# Altium PCB S7CAS-PLEIADES-CARTE-MERE_Pxx.PcbDoc (part 2 of 8) (continued)
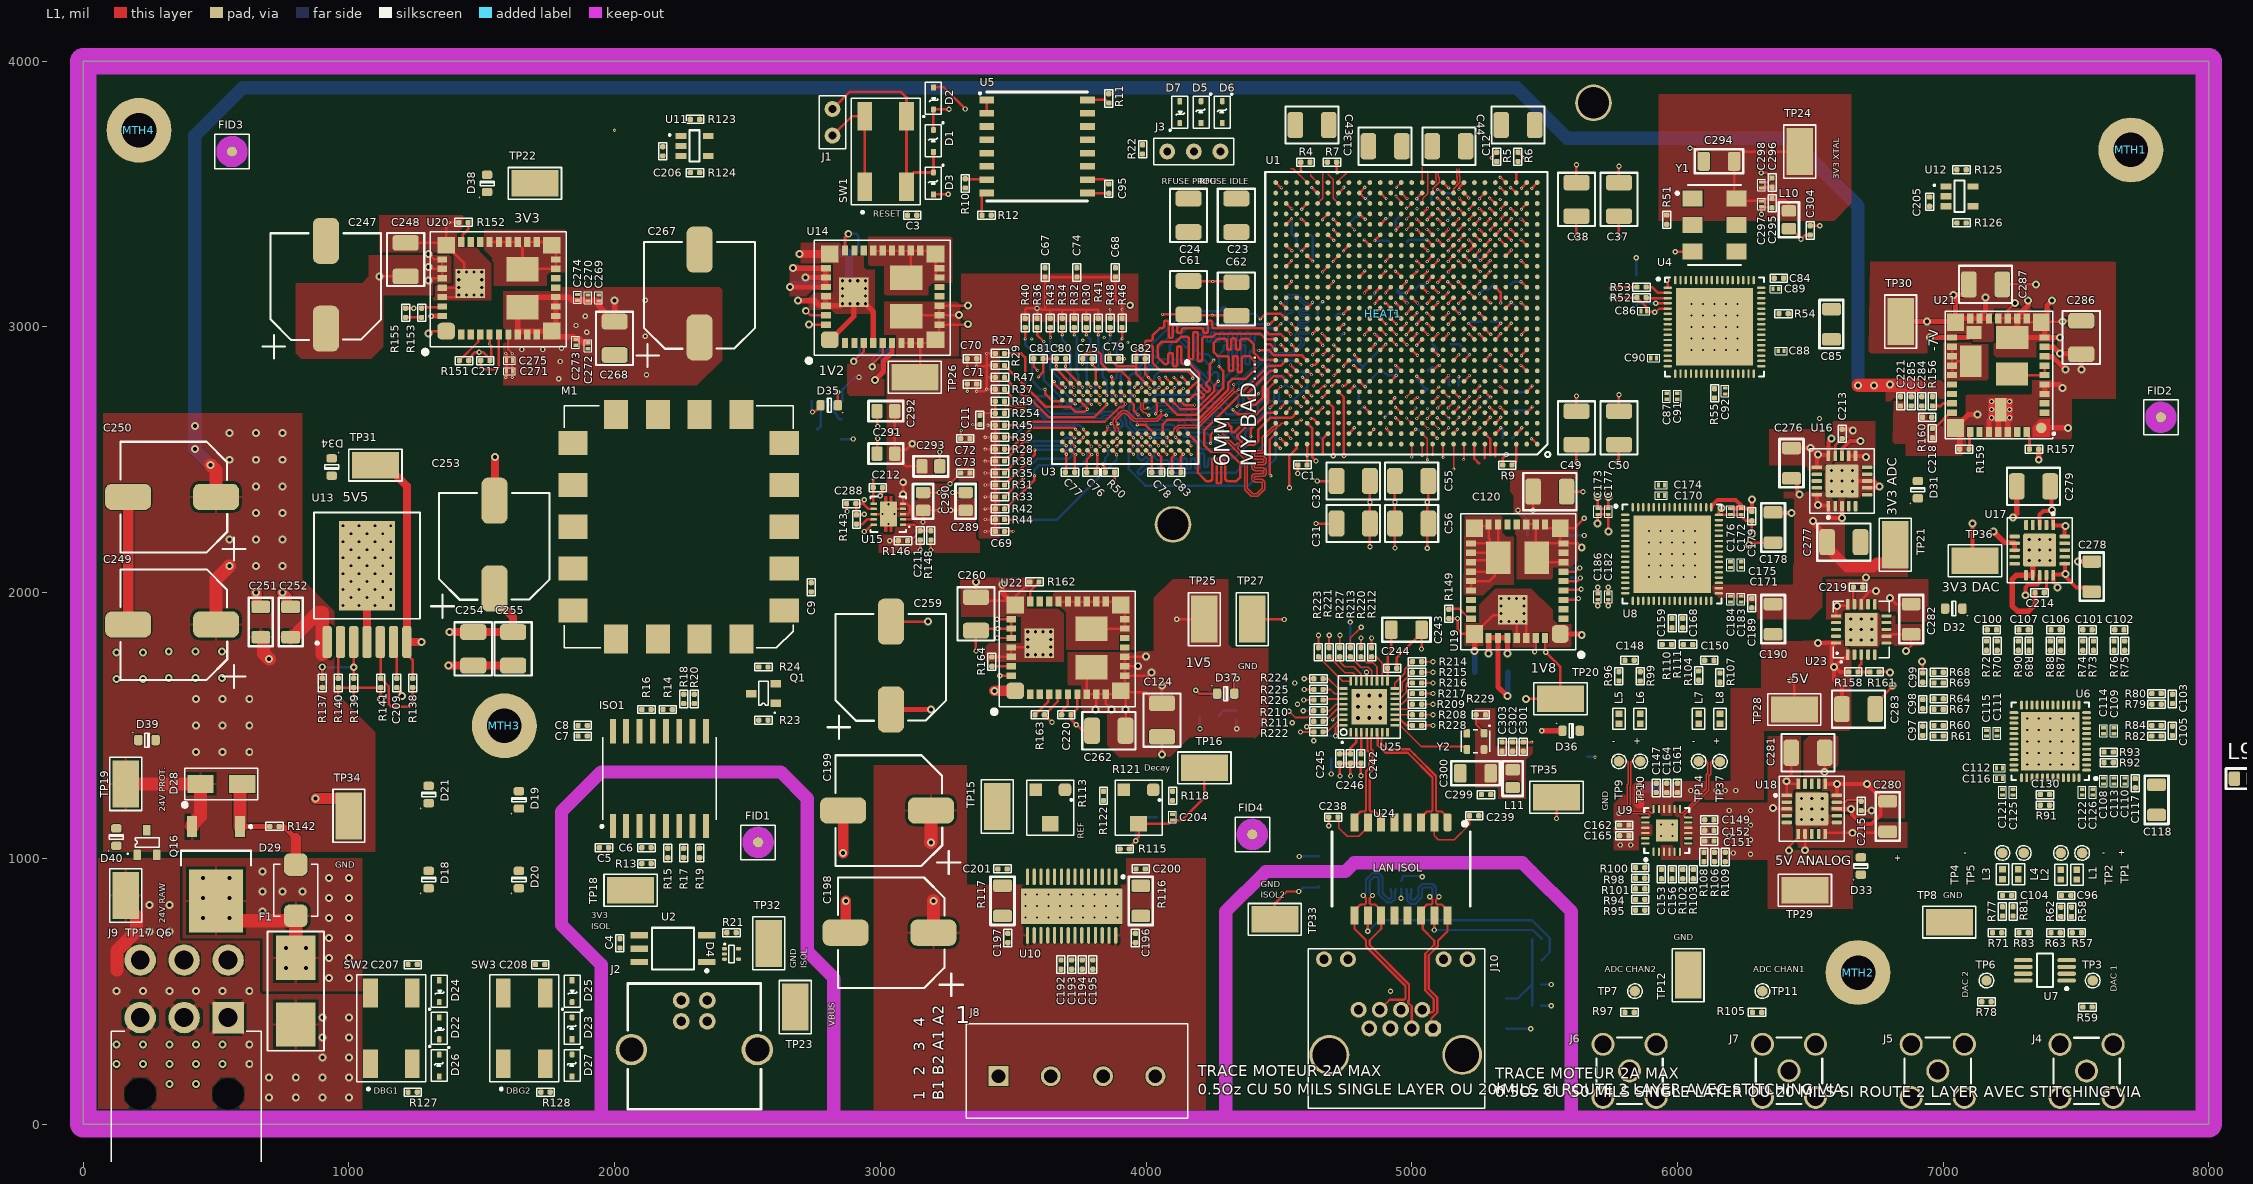
[diagram p0: L1 view]
## Footprints (in the part's own frame and the unit in brackets; to place one, negate y for a bottom-side part, rotate by r counter-clockwise, add the part's x,y. Pads: shape width x height; smd on the part's side, far side on the other; paste and mask are expansions set on the pad) (continued)
  silkscreen extent -13.75,-13.5 13.5,13.75, body extent -13.5,-13.53 13.5,13.47, height 2.24
FUS_0154XXX.DR [mil]
  rect 167x150 smd paste+0 mask+4: 1(-125.39,0) 2(125.39,0)
  silkscreen extent -224,-106 224,106, body extent -191,-98 191,98, height 145
"IND - 0402" [mm] "Chip Inductor, 2-Leads, Body 1.00x0.50mm, IPC Medium Density"
  rect 0.61x0.64 smd: 1(-0.475,0) 2(0.475,0)
  silkscreen extent -1,-0.6 1,0.6, body extent -0.55,-0.3 0.55,0.3, height 0.6
ISO_ADUM3160BRWZ-RL [mil]
  rect 90.51x22.01 smd paste-1.97 mask+2.76: 1(-178.25,175) 2(-178.25,125) 3(-178.25,75) 4(-178.25,25) 5(-178.25,-25) 6(-178.25,-75) 7(-178.25,-125) 8(-178.25,-175) 9(178.25,-175) 10(178.25,-125) 11(178.25,-75) 12(178.25,-25) 13(178.25,25) 14(178.25,75) 15(178.25,125) 16(178.25,175)
  silkscreen extent -185,-214 156,221, body extent -210,-206 209,206, height 104
ISO_PT61017PEL [mil]
  rrect50% 67x30 smd mask+2.76: 1(-175,175)
  rect 67x30 smd mask+2.76: 2(-175,125) 3(-175,75) 4(-175,25) 5(-175,-25) 6(-175,-75) 7(-175,-125) 8(-175,-175) 9(175,-175) 10(175,-125) 11(175,-75) 12(175,-25) 13(175,25) 14(175,75) 15(175,125) 16(175,175)
  silkscreen extent -180,-260 140,260, body extent -193,-252 193,252, height 222
LED_0603 [mm] "Light Emitting Diode - Package 1608"
  rrect50% 0.8x1 smd: A(-0.825,0) K(0.825,0)
  silkscreen extent -0.2,-0.68 0.2,0.67, body extent -0.81,-0.38 0.81,0.42, height 1.1
"MALE HEADER - 1x2 2.54mm" [mil] "MALE HEADER - 1x2 2.54mm"
  round 60 hole 30 mask+3: 1(0,100) 2(0,0)
  silkscreen extent -50,-50 50,150, body extent -50,-50 50,150, height 336
"MALE HEADER - 1x3 2.54mm" [mil] "MALE HEADER - 1x3 2.54mm"
  round 60 hole 30 mask+3: 1(0,100) 2(0,0) 3(0,-100)
  silkscreen extent -50,-150 50,150, body extent -50,-150 50,150, height 336
MEM_DDR3_MT41J128M16JT-125 [mm]
  round 0.45 smd: A1(-3.2,6) A2(-2.4,6) A3(-1.6,6) A7(1.6,6) A8(2.4,6) A9(3.2,6) B1(-3.2,5.2) B2(-2.4,5.2) B3(-1.6,5.2) B7(1.6,5.2) B8(2.4,5.2) B9(3.2,5.2) C1(-3.2,4.4) C2(-2.4,4.4) C3(-1.6,4.4) C7(1.6,4.4) C8(2.4,4.4) C9(3.2,4.4) D1(-3.2,3.6) D2(-2.4,3.6) D3(-1.6,3.6) D7(1.6,3.6) D8(2.4,3.6) D9(3.2,3.6) E1(-3.2,2.8) E2(-2.4,2.8) E3(-1.6,2.8) E7(1.6,2.8) E8(2.4,2.8) E9(3.2,2.8) F1(-3.2,2) F2(-2.4,2) F3(-1.6,2) F7(1.6,2) F8(2.4,2) F9(3.2,2) G1(-3.2,1.2) G2(-2.4,1.2) G3(-1.6,1.2) G7(1.6,1.2) G8(2.4,1.2) G9(3.2,1.2) H1(-3.2,0.4) H2(-2.4,0.4) H3(-1.6,0.4) H7(1.6,0.4) H8(2.4,0.4) H9(3.2,0.4) J1(-3.2,-0.4) J2(-2.4,-0.4) J3(-1.6,-0.4) J7(1.6,-0.4) J8(2.4,-0.4) J9(3.2,-0.4) K1(-3.2,-1.2) K2(-2.4,-1.2) K3(-1.6,-1.2) K7(1.6,-1.2) K8(2.4,-1.2) K9(3.2,-1.2) L1(-3.2,-2) L2(-2.4,-2) L3(-1.6,-2) L7(1.6,-2) L8(2.4,-2) L9(3.2,-2) M1(-3.2,-2.8) M2(-2.4,-2.8) M3(-1.6,-2.8) M7(1.6,-2.8) M8(2.4,-2.8) M9(3.2,-2.8) N1(-3.2,-3.6) N2(-2.4,-3.6) N3(-1.6,-3.6) N7(1.6,-3.6) N8(2.4,-3.6) N9(3.2,-3.6) P1(-3.2,-4.4) P2(-2.4,-4.4) P3(-1.6,-4.4) P7(1.6,-4.4) P8(2.4,-4.4) P9(3.2,-4.4) R1(-3.2,-5.2) R2(-2.4,-5.2) R3(-1.6,-5.2) R7(1.6,-5.2) R8(2.4,-5.2) R9(3.2,-5.2) T1(-3.2,-6) T2(-2.4,-6) T3(-1.6,-6) T7(1.6,-6) T8(2.4,-6) T9(3.2,-6)
  silkscreen extent -5.31,-6.98 4.5,7.01, body extent -4.5,-7 4.5,7, height 1.05
MOD_JTAG_410-357-B [mm]
  rect 2.3x2.8 smd paste-0.025 mask+0.07: 1(-8,-10.1) 2(-4,-10.1) 3(0,-10.1) 4(4,-10.1) 5(8,-10.1) 10(8,10.1) 11(4,10.1) 12(0,10.1) 13(-4,10.1) 14(-8,10.1)
  rect 2.8x2.3 smd paste-0.025 mask+0.07: 6(10.725,-6) 7(10.725,-2) 8(10.725,2) 9(10.725,6) 15(-10.725,6) 16(-10.725,2) 17(-10.725,-2) 18(-10.725,-6)
  silkscreen extent -11.57,-10.94 11.57,10.94, body extent -11.38,-10.75 11.38,10.75, height 2.5
MTH_M3 [mm]
  round 6.2 hole 3.3 paste-2539.97 mask+0.07: 1(0,0)
OPAMP_AD8056ARMZ [mm] "SOP, 8-Leads, Body 3x3mm, Pitch 0.65mm, IPC Medium Density"
  oval 1.8x0.4 smd mask+0.07: 1(-2.075,0.975) 2(-2.075,0.325) 3(-2.075,-0.325) 4(-2.075,-0.975) 5(2.075,-0.975) 6(2.075,-0.325) 7(2.075,0.325) 8(2.075,0.975)
  silkscreen extent -2.2,-1.6 0.77,1.87, body extent -2.12,-1.53 2.07,1.52, height 1.3
OPAMP_ADA4927-2YCPZ-R2 [mm] "QFN, 24-Leads, Body 4,00x4,00mm, Pitch 0,50mm, Thermal Pad 2,10x2,10mm, IPC Low Density"
  oval 0.8x0.2 smd mask+0.075: 1(-2.05,1.25) 2(-2.05,0.75) 3(-2.05,0.25) 4(-2.05,-0.25) 5(-2.05,-0.75) 6(-2.05,-1.25) 13(2.05,-1.25) 14(2.05,-0.75) 15(2.05,-0.25) 16(2.05,0.25) 17(2.05,0.75) 18(2.05,1.25)
  oval 0.2x0.8 smd mask+0.075: 7(-1.25,-2.05) 8(-0.75,-2.05) 9(-0.25,-2.05) 10(0.25,-2.05) 11(0.75,-2.05) 12(1.25,-2.05) 19(1.25,2.05) 20(0.75,2.05) 21(0.25,2.05) 22(-0.25,2.05) 23(-0.75,2.05) 24(-1.25,2.05)
  rect 2.1x2.1 smd mask+0.075: PAD(0,0)
  silkscreen extent -2.92,-2.15 2.15,2.15, body extent -2,-2 2,2, height 1
OPTO_TLP2362 [mm] "SOT23, 5-Leads, Body 3.75x7.00mm, Pitch 1.27mm, IPC Medium Density"
  rect 1.65x0.6 smd: 1(-3.225,1.27) 3(-3.225,-1.27) 4(3.225,-1.27) 5(3.225,0) 6(3.225,1.27)
  silkscreen extent -3.35,-2 2,2.24, body extent -3.5,-1.85 3.5,1.85, height 2.3
OSC_590BD-BDG [mm]
  rect 1.95x1.55 smd paste-0.025 mask+0.07: 1(-2.1,2.54) 2(-2.1,0) 3(-2.1,-2.54) 4(2.1,-2.54) 5(2.1,0) 6(2.1,2.54)
  silkscreen extent -3.68,-3.81 2.54,3.81, body extent -2.54,-3.56 2.54,3.56, height 1.3
OSC_ASDMB-25.000MHZ-LC-T [mm]
  rrect50% 0.65x0.85 smd paste-0.025 mask+0.07: 1(-0.825,-0.775) 2(0.825,-0.775) 3(0.825,0.775) 4(-0.825,0.775)
  silkscreen extent -1.41,-1.56 1.35,1.1, body extent -1.25,-1 1.25,1, height 0.83
POT_J_LEAD_TOP [mm] "POT - J LEAD TOP 0.1W"
  rrect50% 1.2x1.2 smd mask+0.076: 1(-1.4,-1.6)
  rect 1.6x1.5 smd mask+0.076: 2(0,1.65)
  rect 1.2x1.2 smd mask+0.076: 3(1.4,-1.6)
  silkscreen extent -2.25,-2.5 2.25,2.75, body extent -1.8,-1.91 1.8,2.05, height 1.13
POW_MOTOR_DRV8811PWPR [mm] "TSOP, 28-Leads, Body 9,70x4,40mm, Pitch 0,65mm, Thermal Pad 9,70x3,40mm, IPC Medium Density"
  oval 1.6x0.3 smd: 1(-2.8,4.225) 2(-2.8,3.575) 3(-2.8,2.925) 4(-2.8,2.275) 5(-2.8,1.625) 6(-2.8,0.975) 7(-2.8,0.325) 8(-2.8,-0.325) 9(-2.8,-0.975) 10(-2.8,-1.625) 11(-2.8,-2.275) 12(-2.8,-2.925) 13(-2.8,-3.575) 14(-2.8,-4.225) 15(2.8,-4.225) 16(2.8,-3.575) 17(2.8,-2.925) 18(2.8,-2.275) 19(2.8,-1.625) 20(2.8,-0.975) 21(2.8,-0.325) 22(2.8,0.325) 23(2.8,0.975) 24(2.8,1.625) 25(2.8,2.275) 26(2.8,2.925) 27(2.8,3.575) 28(2.8,4.225)
  rect 3.4x9.7 smd paste-15 mask-15: PAD(0,0)
  silkscreen extent -2.92,4.8 -2.68,5.05, body extent -3.2,-4.9 3.2,4.9, height 1.2
REG_LDO_TPS7A3301RGWR [mm]
  rrect50% 0.35x1 smd paste-0.025 mask+0.07: 1(-1.3,-2.4) 2(-0.65,-2.4) 3(0,-2.4) 4(0.65,-2.4) 5(1.3,-2.4) 11(1.3,2.4) 12(0.65,2.4) 13(0,2.4) 14(-0.65,2.4) 15(-1.3,2.4)
  rrect50% 0.95x0.3 smd paste-0.025 mask+0.07: 6(2.4,-1.3) 7(2.4,-0.65) 8(2.4,0) 9(2.4,0.65) 10(2.4,1.3) 16(-2.4,1.3) 17(-2.4,0.65) 18(-2.4,0) 19(-2.4,-0.65) 20(-2.4,-1.3)
  rect 3.15x3.15 smd paste-3.15 mask+0: 21(0,0)
  silkscreen extent -2.7,-3.14 2.7,2.7, body extent -2.51,-2.51 2.51,2.51, height 0.88
REG_PMIC_TPS51200DRCT [mm]
  rrect41% 0.6x0.24 smd mask+0.07: 1(-1.4,1) 2(-1.4,0.5) 3(-1.4,0) 4(-1.4,-0.5) 5(-1.4,-1) 6(1.4,-1) 7(1.4,-0.5) 8(1.4,0) 9(1.4,0.5) 10(1.4,1)
  rrect5% 1.65x2.4 smd paste-5 mask+0.07: 11(0,0)
  L1 region: 0.175,-1.7 0.165,-1.7 0.147,-1.692 0.133,-1.678 0.125,-1.66 0.125,-1.65 0.125,-1.65 0.125,1.65 0.125,1.66 0.133,1.678 0.147,1.692 0.165,1.7 0.175,1.7 0.175,1.7 0.325,1.7 0.335,1.7 0.353,1.692 0.367,1.678 0.375,1.66 0.375,1.65 0.375,1.65 0.375,-1.65 0.375,-1.66 0.367,-1.678 0.353,-1.692 0.335,-1.7 0.325,-1.7 0.325,-1.7
  L1 region: -0.325,-1.7 -0.335,-1.7 -0.353,-1.692 -0.367,-1.678 -0.375,-1.66 -0.375,-1.65 -0.375,-1.65 -0.375,1.65 -0.375,1.66 -0.367,1.678 -0.353,1.692 -0.335,1.7 -0.325,1.7 -0.325,1.7 -0.175,1.7 -0.165,1.7 -0.147,1.692 -0.133,1.678 -0.125,1.66 -0.125,1.65 -0.125,1.65 -0.125,-1.65 -0.125,-1.66 -0.133,-1.678 -0.147,-1.692 -0.165,-1.7 -0.175,-1.7 -0.175,-1.7
  silkscreen extent -2.05,-1.7 1.7,1.7, body extent -1.55,-1.55 1.55,1.55, height 1
REG_SWI_LMZ30602 [mm] "Non-Isolated PoL Module DC DC Converter 1 Output 0.8 ~ 3.6V 2A 2.95V - 6V Input"
  rrect50% 1.7x1.6 smd mask+0.07: 1(0,0)
  rect 0.6x0.95 smd mask+0.07: 2(1.45,-0.325) 3(2.35,-0.325) 4(3.25,-0.325) 5(4.15,-0.325) 6(5.05,-0.325) 7(5.95,-0.325) 8(6.85,-0.325) 9(7.75,-0.325) 10(8.65,-0.325) 20(8.65,8.525) 21(7.75,8.525) 22(6.85,8.525) 23(5.95,8.525) 24(5.05,8.525) 25(4.15,8.525) 26(3.25,8.525) 27(2.35,8.525) 28(1.45,8.525)
  rect 1.7x1.6 smd mask+0.07: 11(10.1,0) 19(10.1,8.2) 29(0,8.2)
  rect 0.95x0.6 smd mask+0.07: 12(10.475,1.45) 13(10.475,2.35) 14(10.475,3.25) 15(10.475,4.15) 16(10.475,5.05) 17(10.475,5.95) 18(10.475,6.85) 30(-0.375,6.85) 31(-0.375,5.95) 32(-0.375,5.05) 33(-0.375,4.15) 34(-0.375,3.25) 35(-0.375,2.35) 36(-0.375,1.45)
  rect 2.8x2.8 smd mask+0.07: 37(2.3,4.55)
  rect 2.8x2.8 smd far side mask+0.07: 37(2.3,4.55)
  rect 3.1x2.35 smd mask+0.07: 38(7.3,2.26) 39(7.3,5.93)
  silkscreen extent -2.28,-2.28 11.5,9.5, body extent -0.4,-0.4 10.6,8.6, height 2.9
REG_SWI_LMZ30604 [mm] "Non-Isolated PoL Module DC DC Converter 1 Output 0.8 ~ 3.6V 4A 2.95V - 6V Input"
  rrect50% 1.7x1.6 smd mask+0.07: 1(0,0)
  rect 0.6x0.95 smd mask+0.07: 2(1.45,-0.325) 3(2.35,-0.325) 4(3.25,-0.325) 5(4.15,-0.325) 6(5.05,-0.325) 7(5.95,-0.325) 8(6.85,-0.325) 9(7.75,-0.325) 10(8.65,-0.325) 20(8.65,8.525) 21(7.75,8.525) 22(6.85,8.525) 23(5.95,8.525) 24(5.05,8.525) 25(4.15,8.525) 26(3.25,8.525) 27(2.35,8.525) 28(1.45,8.525)
  rect 1.7x1.6 smd mask+0.07: 11(10.1,0) 19(10.1,8.2) 29(0,8.2)
  rect 0.95x0.6 smd mask+0.07: 12(10.475,1.45) 13(10.475,2.35) 14(10.475,3.25) 15(10.475,4.15) 16(10.475,5.05) 17(10.475,5.95) 18(10.475,6.85) 30(-0.375,6.85) 31(-0.375,5.95) 32(-0.375,5.05) 33(-0.375,4.15) 34(-0.375,3.25) 35(-0.375,2.35) 36(-0.375,1.45)
  rect 2.8x2.8 smd mask+0.07: 37(2.3,4.55)
  rect 2.8x2.8 smd far side mask+0.07: 37(2.3,4.55)
  rect 3.1x2.35 smd mask+0.07: 38(7.3,2.26) 39(7.3,5.93)
  silkscreen extent -2.28,-2.28 11.5,9.5, body extent -0.4,-0.4 10.6,8.6, height 2.9
REG_SWR_LMZ23605TZE/NOPB [mm]
  rrect50% 0.89x3.06 smd paste+0 mask+0.07: 1(-3.81,-7.305) 2(-2.54,-7.305) 3(-1.27,-7.305) 4(0,-7.305) 5(1.27,-7.305) 6(2.54,-7.305) 7(3.81,-7.305)
  rect 5.35x8.54 smd paste-10 mask+0.07: 8(0,0)
  silkscreen extent -5.08,-7.53 5.08,5.08, body extent -5.11,-8.82 5.05,4.95, height 4.57
REG_SWR_LMZ34002RKGR [mm]
  round 1 smd paste-1.7 mask-1.7: 1(-5.05,-4.1)
  rect 0.6x0.95 smd paste-0.025 mask+0.07: 2(-3.6,-4.425) 3(-2.7,-4.425) 4(-1.8,-4.425) 5(-0.9,-4.425) 6(0,-4.425) 7(0.9,-4.425) 8(1.8,-4.425) 9(2.7,-4.425) 10(3.6,-4.425) 20(3.6,4.425) 21(2.7,4.425) 22(1.8,4.425) 23(0.9,4.425) 24(0,4.425) 25(-0.9,4.425) 26(-1.8,4.425) 27(-2.7,4.425) 28(-3.6,4.425)
  rect 1.7x1.6 smd paste-2 mask+0.07: 11(5.05,-4.1) 19(5.05,4.1) 29(-5.05,4.1)
  rect 0.95x0.6 smd paste-0.025 mask+0.07: 12(5.425,-2.7) 13(5.425,-1.8) 14(5.425,-0.9) 15(5.425,0) 16(5.425,0.9) 17(5.425,1.8) 18(5.425,2.7) 30(-5.425,2.7) 31(-5.425,1.8) 32(-5.425,0.9) 33(-5.425,0) 34(-5.425,-0.9) 35(-5.425,-1.8) 36(-5.425,-2.7)
  rect 2.25x1.1 smd paste-2 mask+0.07: 37(-3.3,-0.22)
  rect 2.2x3.1 smd paste-3.1 mask+0.07: 38(0.11,-1.3)
  rect 2.2x3.1 smd paste-3.1 mask+0.05: 39(3.59,-1.32)
  rect 1.24x1.4 smd paste-2 mask+0.05: 40(4.06,2.33)
  rect 3.05x2.04 smd paste-3.05 mask+0.05: 41(1.32,2.65)
  L1 region: -4.425,-1.37 -2.175,-1.37 -2.175,0.93 -4.425,0.93
  L1 region: -5.9,-4.9 -5.9,-3.3 -4.95,-3.3 -4.2,-3.95 -4.2,-4.9
  silkscreen extent -6.1,-5.4 6.1,5.1, body extent -5.55,-4.55 5.55,4.55, height 2.95
REG_TPS7A4701RGWR [mm]
  rrect50% 1x0.35 smd paste-0.025 mask+0.07: 1(-2.4,1.3) 2(-2.4,0.65) 3(-2.4,0) 4(-2.4,-0.65) 5(-2.4,-1.3) 11(2.4,-1.3) 12(2.4,-0.65) 13(2.4,0) 14(2.4,0.65) 15(2.4,1.3)
  rrect50% 0.35x1 smd paste-0.025 mask+0.07: 6(-1.3,-2.4) 7(-0.65,-2.4) 8(0,-2.4) 9(0.65,-2.4) 10(1.3,-2.4) 16(1.3,2.4) 17(0.65,2.4) 18(0,2.4) 19(-0.65,2.4) 20(-1.3,2.4)
  rrect10% 3.15x3.15 smd paste-1.575 mask+0: E1(0,0)
  silkscreen extent -3.59,-3.1 3.1,3.1, body extent -2.62,-2.62 2.63,2.63, height 1
RES_0402 [mil]
  rrect60% 20x20 smd: 1(-17.5,0) 2(17.5,0)
  silkscreen extent -32,-15 32,15, body extent -23,-11 23,11, height 16
RES_0805 [mil]
  rrect37% 43x55 smd: 1(-35.5,0) 2(35.5,0)
  silkscreen extent -68,-40 68,40, body extent -45,-27 45,27, height 30
RES_1206 [mil]
  rrect34% 47x71 smd: 1(-57,0) 2(57,0)
  silkscreen extent -91,-45 91,45, body extent -66,-34 66,34, height 33
SEN_TEMP_TC74A0-3.3VCTTR [mm]
  rect 1.05x0.6 smd paste-0.05 mask+0.07: 1(-1.3,0.95) 2(-1.3,0) 3(-1.3,-0.95) 4(1.3,-0.95) 5(1.3,0.95)
  silkscreen extent -2.47,-1.5 0.48,1.5, body extent -1.6,-1.58 1.6,1.53, height 1.45
SMA [mm]
  rect 2.5x1.7 smd mask+0.076: 1(2,0) 2(-2,0)
  silkscreen extent -3.75,-2.25 3.5,1.5, body extent -2.8,-1.46 2.8,1.46, height 2.35
"SOD323 - UNIDIR" [mm]
  rrect50% 0.59x0.45 smd mask+0.076: 1(-1.05,0)
  rect 0.59x0.45 smd mask+0.076: 2(1.05,0)
  silkscreen extent -1.76,-0.76 1.52,0.95, body extent -1.26,-0.65 1.26,0.65, height 1.1
SOT23-3#1 [mil]
  rect 28x40 smd: 1(-37,-46) 2(37,-46) 3(0,46)
  round 7.5 on Mech10: ""(-37,-46)
  silkscreen extent -74,-46 46,18, body extent -57,-47 57,47, height 40
SOT23-3#2 [mil]
  rect 28x40 smd: 1(-37,-46) 2(37,-46) 3(0,46)
  round 7.5 on Mech11: ""(-37,-46)
  silkscreen extent -74,-45 46,18, body extent -57,-47 57,47, height 40
SWI_TACT_B3SN-3012P [mm]
  rect 2.75x1.4 smd paste-0.025 mask+0.07: 1(-3.375,2) 2(3.375,2) 3(-3.375,-2) 4(3.375,-2)
  silkscreen extent -5.9,-3.3 5.1,3.3, body extent -3.05,-3.05 3.05,3.05, height 3.2
TIM_CDCE62005RGZT [mm] "QFN, 64-Leads, Body 9,00x9,00mm, Pitch 0,50mm, Thermal Pad 7,40x7,40mm, IPC Medium Density"
  oval 0.8x0.23 smd mask+0.07: 1(-4.475,3.75) 2(-4.475,3.25) 3(-4.475,2.75) 4(-4.475,2.25) 5(-4.475,1.75) 6(-4.475,1.25) 7(-4.475,0.75) 8(-4.475,0.25) 9(-4.475,-0.25) 10(-4.475,-0.75) 11(-4.475,-1.25) 12(-4.475,-1.75) 13(-4.475,-2.25) 14(-4.475,-2.75) 15(-4.475,-3.25) 16(-4.475,-3.75) 33(4.475,-3.75) 34(4.475,-3.25) 35(4.475,-2.75) 36(4.475,-2.25) 37(4.475,-1.75) 38(4.475,-1.25) 39(4.475,-0.75) 40(4.475,-0.25) 41(4.475,0.25) 42(4.475,0.75) 43(4.475,1.25) 44(4.475,1.75) 45(4.475,2.25) 46(4.475,2.75) 47(4.475,3.25) 48(4.475,3.75)
  oval 0.23x0.8 smd mask+0.07: 17(-3.75,-4.475) 18(-3.25,-4.475) 19(-2.75,-4.475) 20(-2.25,-4.475) 21(-1.75,-4.475) 22(-1.25,-4.475) 23(-0.75,-4.475) 24(-0.25,-4.475) 25(0.25,-4.475) 26(0.75,-4.475) 27(1.25,-4.475) 28(1.75,-4.475) 29(2.25,-4.475) 30(2.75,-4.475) 31(3.25,-4.475) 32(3.75,-4.475) 49(3.75,4.475) 50(3.25,4.475) 51(2.75,4.475) 52(2.25,4.475) 53(1.75,4.475) 54(1.25,4.475) 55(0.75,4.475) 56(0.25,4.475) 57(-0.25,4.475) 58(-0.75,4.475) 59(-1.25,4.475) 60(-1.75,4.475) 61(-2.25,4.475) 62(-2.75,4.475) 63(-3.25,4.475) 64(-3.75,4.475)
  rect 7.4x7.4 smd mask+0.07: PAD(0,0)
  silkscreen extent -5.5,-4.72 4.72,4.72, body extent -4.57,-4.57 4.57,4.57, height 1
TO-252 [mm]
  rect 2x0.95 smd: 1(-4.55,2.28) 3(-4.55,-2.28)
  rect 6x5.15 smd: 4(2.55,0)
  silkscreen extent -4.67,-3.35 -0.85,3.43, body extent -4.6,-3.35 5.5,3.35, height 2.9
TPO_SMD_5019 [mm]
  rect 4.5x2.53 smd paste-5 mask+0.07: 1(0,0)
  silkscreen extent -2.54,-1.52 2.54,1.52, body extent -1.9,-1.01 1.91,1.02, height 2.29
TPO_SMD_ROUND_1MM [mm]
  round 1 smd paste-2 mask+0.07: 1(0,0)
  silkscreen extent -0.7,-0.7 0.7,0.7, body extent -0.4,-0.4 0.4,0.4
TVS_DATA_TPD4E05U06 [mm]
  rect 0.55x0.3 smd paste+0 mask+0.05: 1(-0.385,1) 2(-0.385,0.5) 4(-0.385,-0.5) 5(-0.385,-1) 6(0.385,-1) 7(0.385,-0.5) 9(0.385,0.5) 10(0.385,1)
  rect 0.55x0.4 smd paste+0 mask+0.05: 3(-0.385,0) 8(0.385,0)
  silkscreen extent -0.89,-1.45 0.55,1.45, body extent -0.55,-1.3 0.55,1.3, height 0.55
TVS_PWR_SMBJ36CA [mm]
  rrect50% 2.16x2.26 smd paste+0 mask+0.102: 1(-2.45,0) 2(2.45,0)
  silkscreen extent -2.5,-2.1 2.5,2.1, body extent -2.6,-1.97 2.6,1.97, height 2.61
TVS_USB_TPD2E001DRLR [mm]
  rrect50% 0.45x0.3 smd paste-0.025 mask+0.05: 1(-0.675,0.5) 2(-0.675,0) 3(-0.675,-0.5) 4(0.675,-0.5) 5(0.675,0.5)
  silkscreen extent -0.73,-0.85 0.25,1.01, body extent -0.8,-0.8 0.8,0.8, height 0.49

## Part data
C1 C2 C3 C4 C11 C67 C68 C69 C70 C71 C72 C73 C74 C75 C76 C77 C78 C79 C80 C81 C82 C83 C95 C97 C98 C99 C100 C101 C102 C103 C105 C106 C107 C117 C128 C130 C136 C144 C152 C156 C159 C164 C165 C168 C178 C189 C200 C201 C207 C208 C212 C213 C214 C215 C219 C225 C238 C239 C242 C244 C246: library part "CAP - 0603", "CAP - 0402", Supplier Part Number 1=CL10B104KO8NNNC, Voltage=16V, CreatedBy="Jonathan Bouchard", Package=0402, Precision=10%, Supplier 1="Arrow Electronics"
C5 C6 C7 C8 C9 C10 C18 C19 C20 C21 C22 C27 C28 C29 C30 C34 C35 C36 C40 C41 C42 C47 C48 C53 C54 C59 C60 C65 C66 C137 C145 C157 C166 C209 C227: library part "CAP - 0603", "CAP - 0402", Supplier Part Number 1=C1608X7R1C474K080AC, Voltage=16V, CreatedBy="Jonathan Bouchard", Package=0402, Precision=10%, Supplier 1="Arrow Electronics"
C12 C13 C23 C24 C31 C32 C37 C38 C43 C44 C49 C50 C55 C56 C61 C62 C120 C124 C233 C248 C254 C255 C256 C258 C260 C262 C264 C266 C268 C277 C279 C281 C283 C286 C287: Package=1210, Supplier Part Number 1=CL32A476KOJNNNE, Voltage=16V, CreatedBy="Jonathan Bouchard", Precision=10%, Supplier 1="Arrow Electronics"
C15 C16 C25 C26 C33 C39 C45 C51 C57 C63 C230: Package=0805, Supplier Part Number 1=CL21B475KOFNFNE, Voltage=16V, CreatedBy="Jonathan Bouchard", Precision=10%, Supplier 1="Arrow Electronics"
C84 C205 C206 C228: library part "CAP - 0603", "CAP - 0402", Supplier Part Number 1=CL10B105MO8NNWC, Voltage=16v, CreatedBy="Jonathan Bouchard", Package=0402, Precision=10%, Supplier 1="Arrow Electronics"
C85 C232 C241 C243 C294 C300: Package=1206, Supplier Part Number 1=CL31A226MOCLNNC, Voltage=16V, CreatedBy="Jonathan Bouchard", Precision=10%, Supplier 1="Arrow Electronics"
C86 C87 C88 C113 C114 C115 C116 C125 C126 C127 C174 C175 C176 C177 C186 C187 C188 C191 C202 C203 C204 C223 C269 C270 C271 C297 C298: Package=0201, Supplier Part Number 1=GRM033R71C102KA01J, Voltage=16V, CreatedBy="Jonathan Bouchard", Precision=10%, Supplier 1=Avnet
C89 C90 C91 C92 C108 C109 C110 C111 C112 C121 C122 C123 C170 C171 C172 C173 C182 C183 C184 C222 C272 C273 C274 C275: Package=0201, Supplier Part Number 1=GRM033R71C221KA01D, Voltage=16V, CreatedBy="Jonathan Bouchard", Precision=10%, Supplier 1="Arrow Electronics"
C93 C94 C118 C129 C138 C146 C158 C167 C179 C190 C231 C251 C252 C276 C278 C280 C282: Package=1206, Supplier Part Number 1=CL31A106MBHNNNE, Voltage=50V, CreatedBy="Jonathan Bouchard", Precision=10%, Supplier 1=Avnet
C96 C104 C147 C148 C149 C150: library part "CAP - 0603", "CAP - 0402", Voltage=50V, CreatedBy="Jonathan Bouchard", Package=0402, Precision=10%
C119 C234 C240: Package=1206, Supplier Part Number 1=1206GC102KAT1A, Voltage=2KV, CreatedBy="Jonathan Bouchard", Precision=10%, Supplier 1="Arrow Electronics"
C133 C141 C151 C153 C161 C162 C210 C216 C217 C218 C220 C224 C295 C296 C302 C303 C304: Package=0402, Supplier Part Number 1=GRM155R61A224KE19D, Voltage=16V, CreatedBy="Jonathan Bouchard", Precision=10%, Supplier 1="Arrow Electronics"